# Altium PCB Discharge_B4.PcbDoc (part 1 of 2)
Units mm, origin at the board's own origin, x right, y up, seen from the top; angles counter-clockwise.
Board outline 168.78 x 82.3 mm, 4 copper layers (Top Layer, GND, PWR, Bottom Layer), stack 1.369 mm thick; 174 components, 117 nets, 557 pads, 679 vias.
Unrouted connection lines stored in the file: 9.
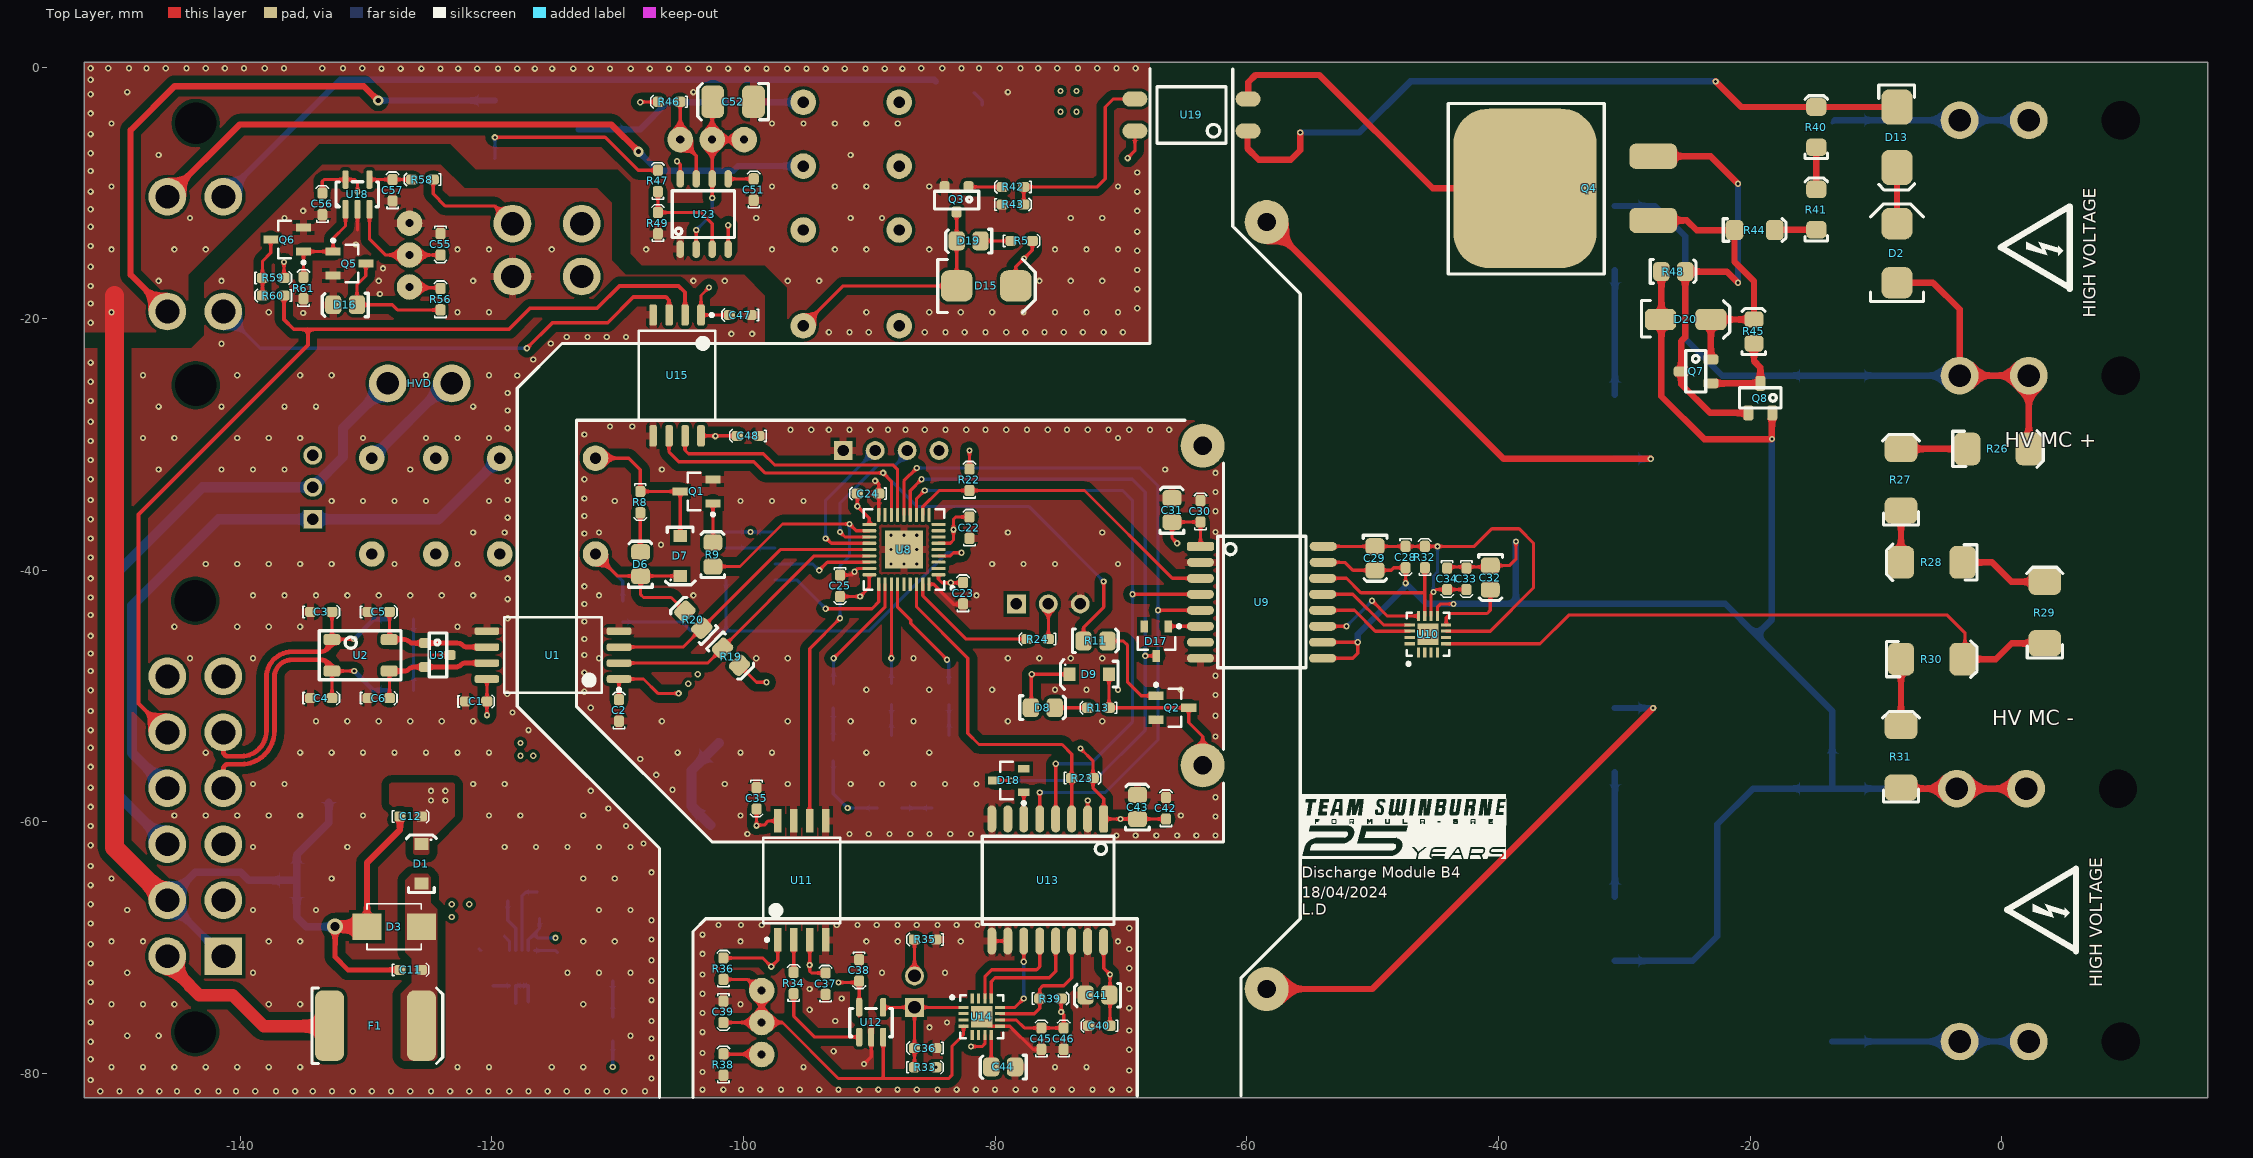
[diagram p0: Top Layer view]
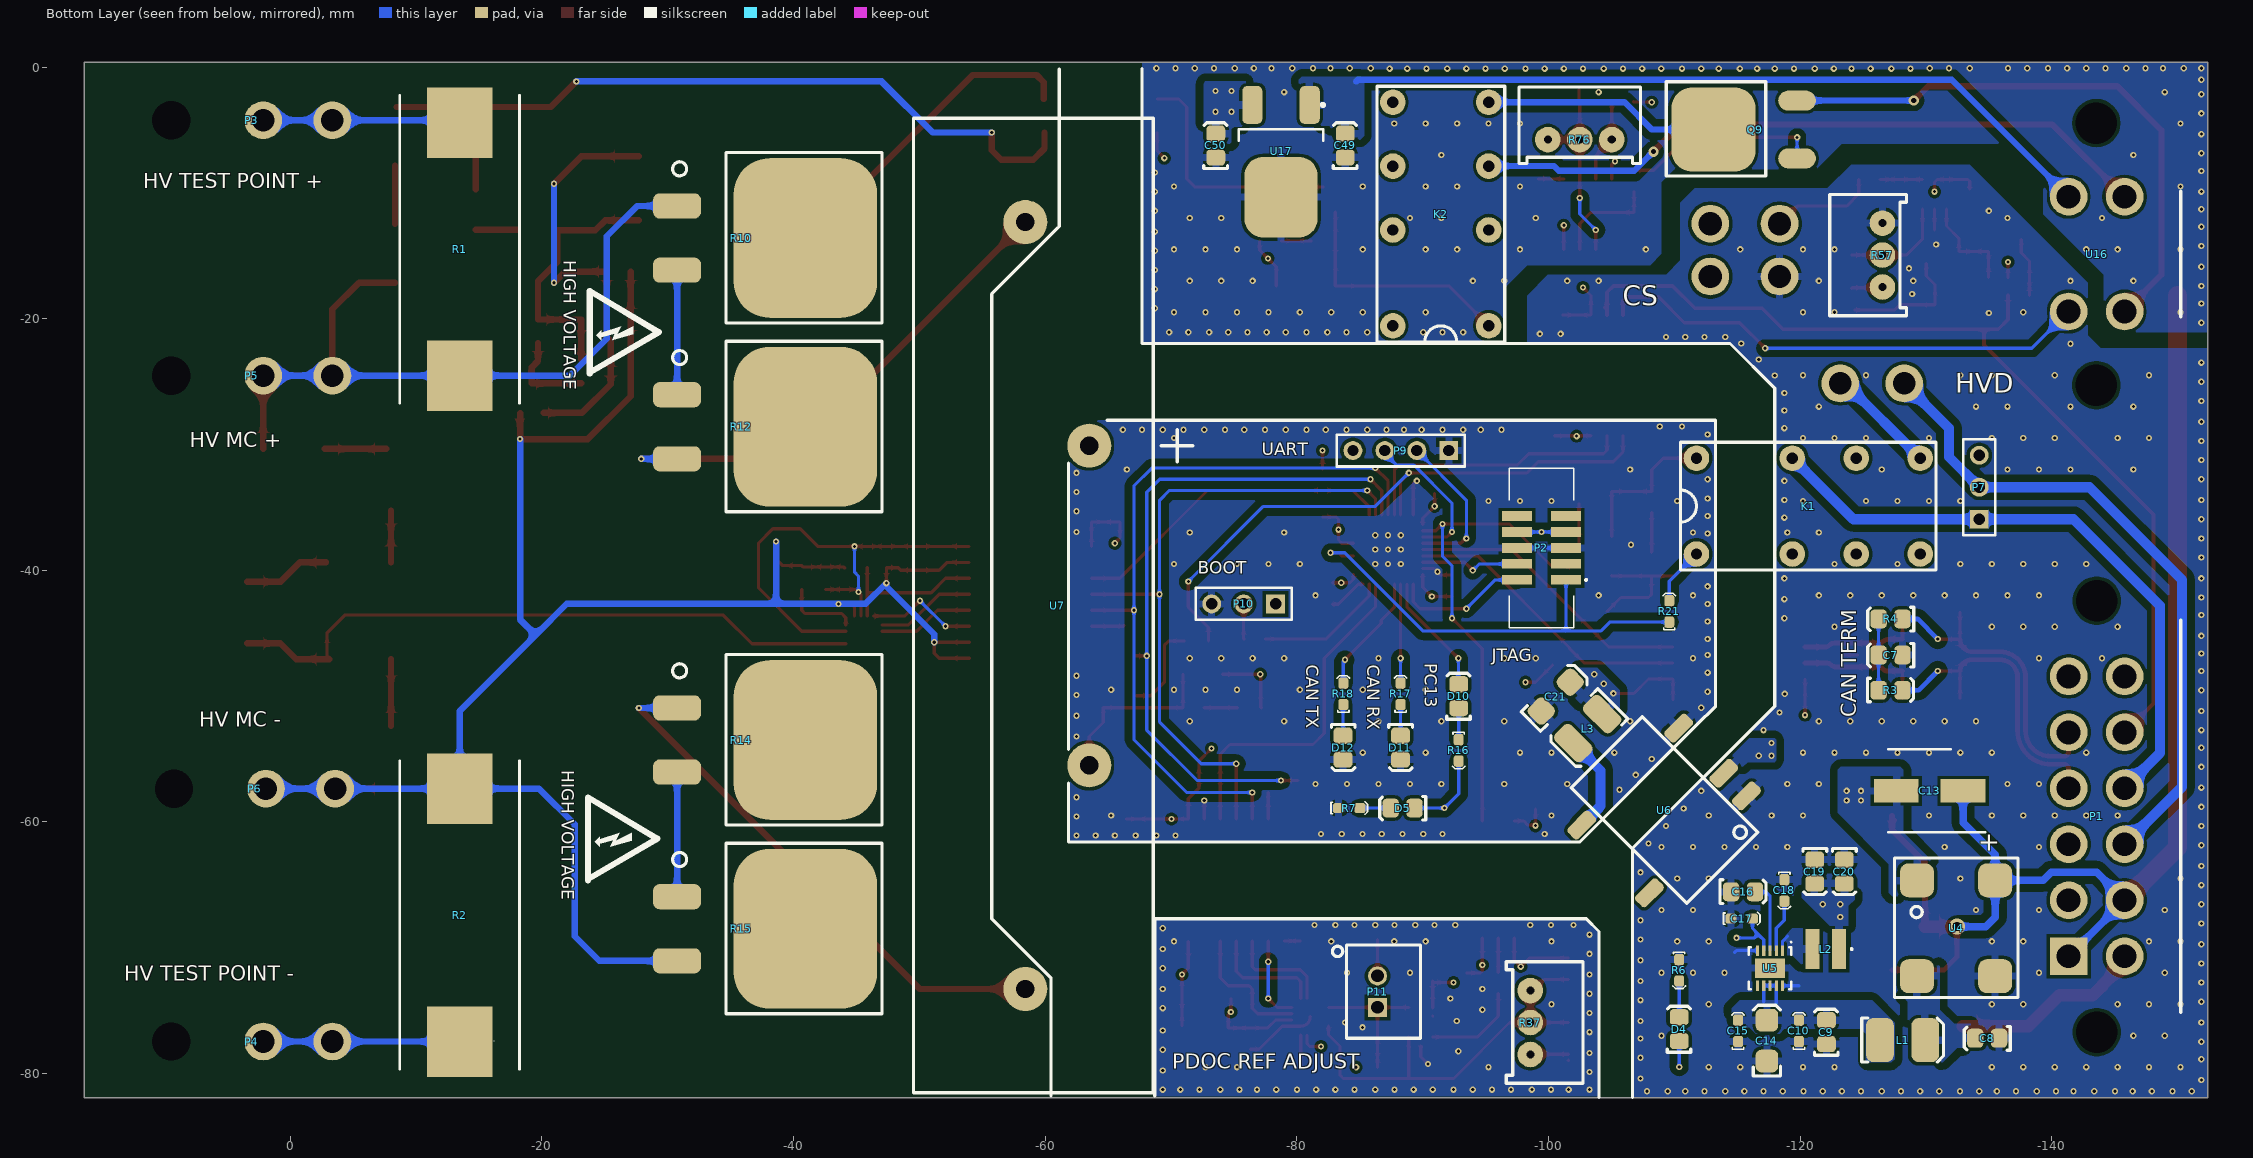
[diagram p1: Bottom Layer view, seen from below]
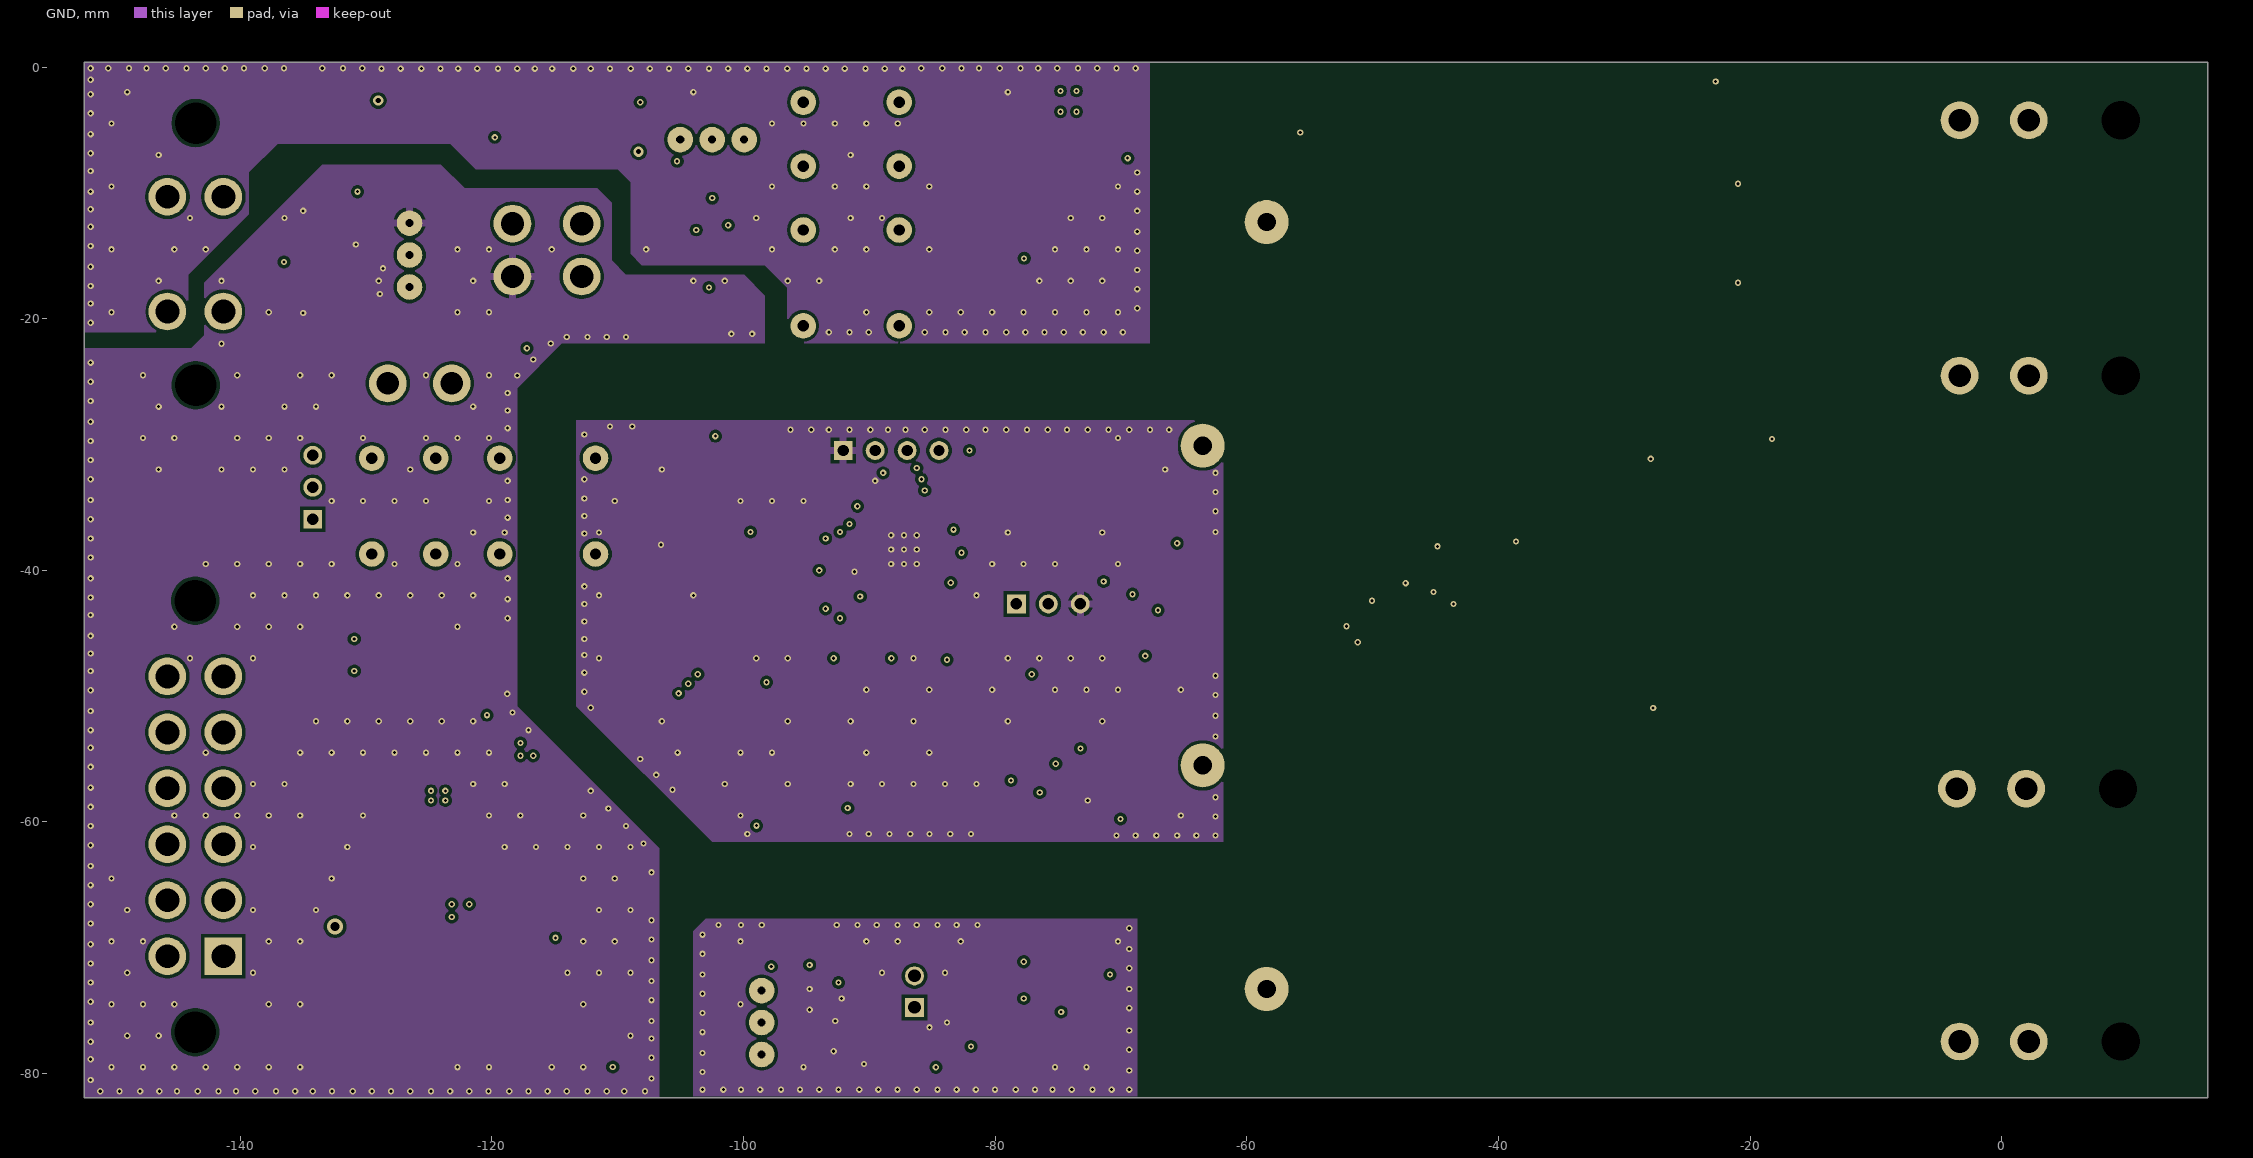
[diagram p2: GND]
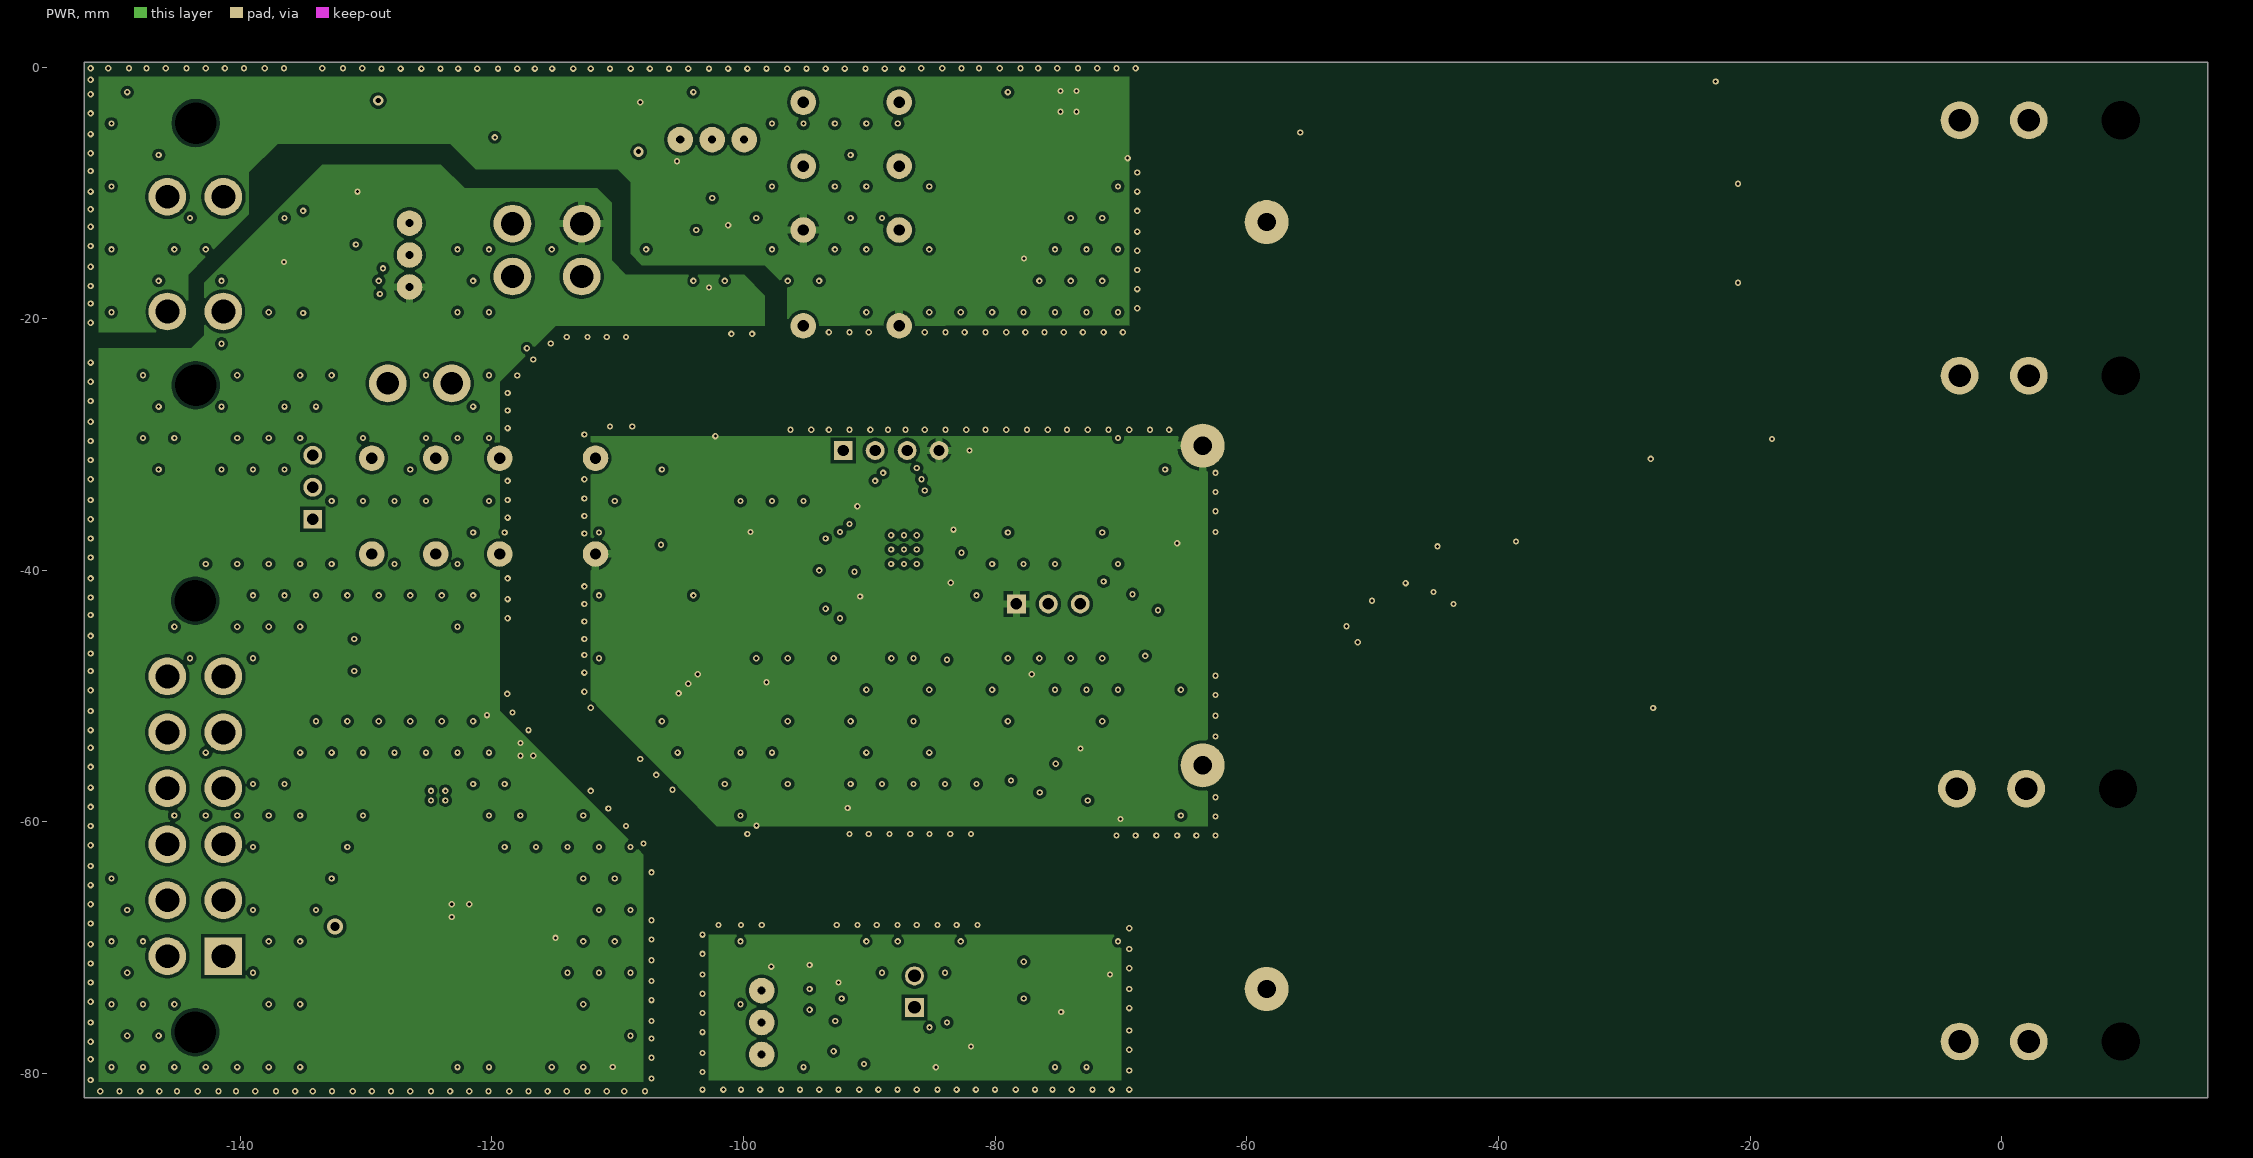
[diagram p3: PWR]
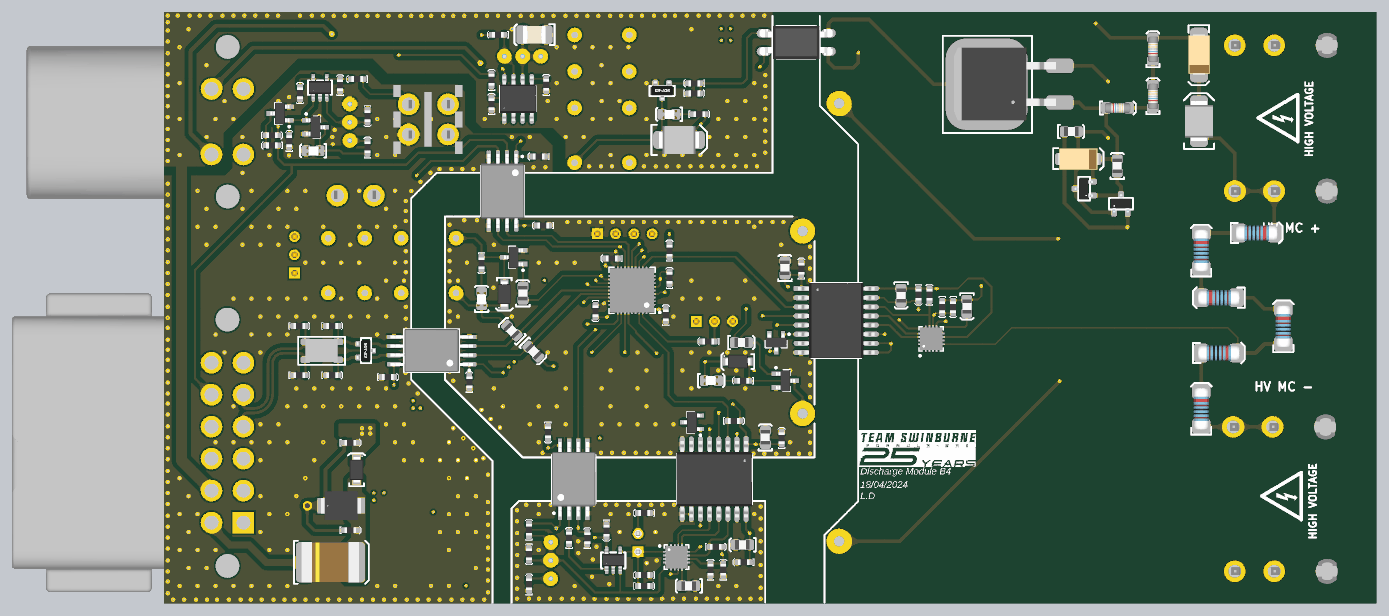
[diagram p5: 3D render of the assembled board from above, using the file's embedded part models]
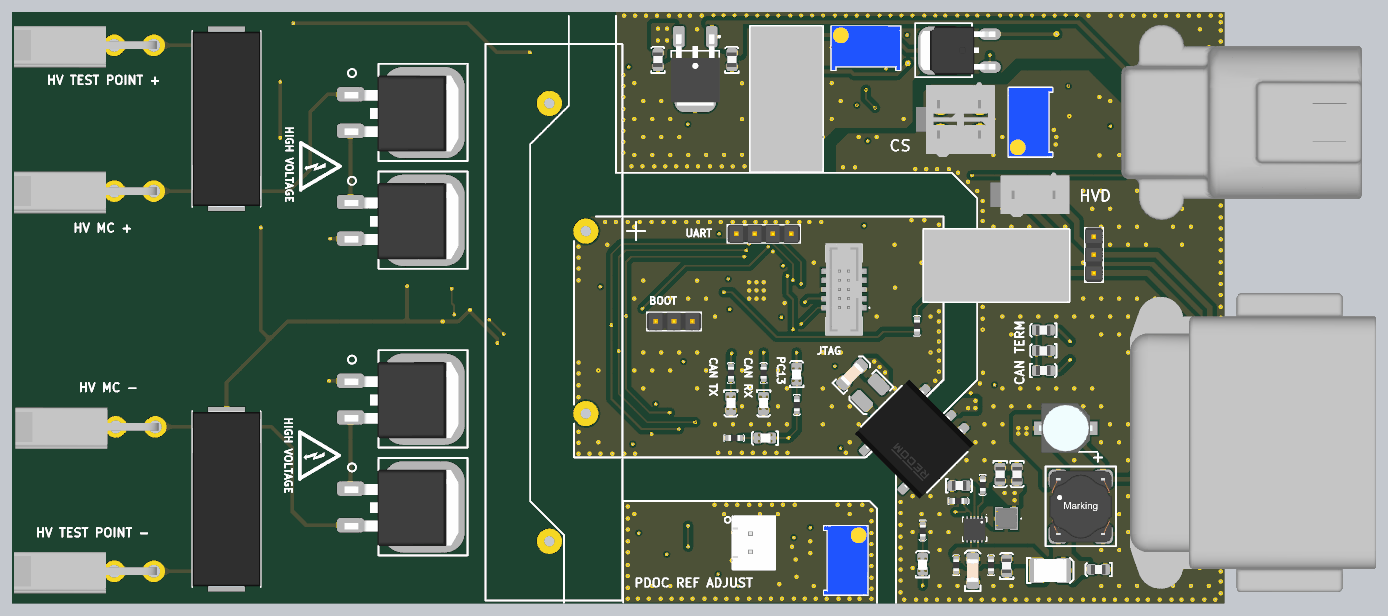
[diagram p6: 3D render of the assembled board from below, using the file's embedded part models]

## Layer stack, top to bottom
Top Solder: solder mask 0.0254, SM-001, Dk 4
Top Layer: signal copper 0.035
Dielectric 1: prepreg 0.1295, PP-017, Dk 4.3
Dielectric 2: prepreg 0.1295, PP-017, Dk 4.3
GND: signal copper 0.035
Dielectric 3: core 0.7112, Core-039, Dk 4.8
PWR: signal copper 0.035
Dielectric 4: prepreg 0.1295, PP-017, Dk 4.3
Dielectric 5: prepreg 0.1295, PP-017, Dk 4.3
Bottom Layer: signal copper 0.035
Bottom Solder: solder mask 0.0254, SM-001, Dk 4

## Board outline
-152.4,-81.915 -152.4,0.381 -142.049,0.381 -122.873,0.381 -112.903,0.381 16.383,0.381 16.383,-67.691 16.383,-81.915 -112.649,-81.915

## Design rules (kind name [scope] priority, off if disabled: settings)
Clearance HV [InNetClass('HV')] p1: gap=0.254 ignorepadtopadclearanceinfootprint=TRUE except(0: Arc-Hole Track-Hole SMDPad-Hole THPad-Hole Via-Hole Fill-Hole Region-Hole Text-Hole; 0.152: Arc-SMDPad; 0.2: Arc-THPad THPad-Via; 0.203: Arc-Arc Arc-Track Arc-Region Track-Region THPad-Region Via-Region Fill-Region Poly-Region Region-Region; 0.6: Arc-Poly Fill-Poly Poly-Poly; 1.8: Track-Track Track-SMDPad Track-THPad Track-Via Track-Fill Track-Poly SMDPad-Via SMDPad-Fill SMDPad-Poly THPad-THPad)
Clearance [All] p2: gap=0.254 ignorepadtopadclearanceinfootprint=FALSE except(0: Arc-Hole Track-Hole SMDPad-Hole THPad-Hole Via-Hole Fill-Hole Region-Hole Text-Hole; 0.1: THPad-THPad; 0.152: Arc-SMDPad Track-SMDPad SMDPad-SMDPad; 0.2: Arc-THPad Track-THPad SMDPad-THPad THPad-Via; 0.203: Arc-Arc Arc-Track Arc-Region Track-Track Track-Region SMDPad-Region THPad-Region Via-Region Fill-Region Poly-Region Region-Region; 0.6: Arc-Poly Track-Poly Fill-Poly Poly-Poly)
DiffPairsRouting [All] p1: maxlimit=0.254 minlimit=0.254 mostfreqgap=0.254 toplayer_minwidth=0.381 toplayer_maxwidth=0.381 toplayer_prefwidth=0.381 midlayer1_minwidth=0.381 midlayer1_maxwidth=0.381 midlayer1_prefwidth=0.381 midlayer2_minwidth=0.381 midlayer2_maxwidth=0.381 midlayer2_prefwidth=0.381 bottomlayer_minwidth=0.381 bottomlayer_maxwidth=0.381 bottomlayer_prefwidth=0.381 maxuncoupledlength=12.7
Height [All] p1: minheight=0 maxheight=50 prefheight=12.7
HoleSize [All] p1: absolutevalues=TRUE maxlimit=10 minlimit=0.025 maxpercent=80.000 minpercent=20.000
MinimumSolderMaskSliver [All] p1: minsoldermaskwidth=0
PlaneClearance [All] p1: clearance=0.4
PlaneConnect [All] p1: pad.planeconnectstyle=Relief pad.reliefexpansion=0.508 pad.reliefentries=4 pad.reliefconductorwidth=0.8 pad.reliefairgap=0.254 via.planeconnectstyle=Direct via.reliefexpansion=0.508 via.reliefentries=4 via.reliefconductorwidth=0.8 via.reliefairgap=0.254
PolygonConnect [All] p1: thpad.connectstyle=Relief thpad.reliefconductorwidth=0.6 thpad.reliefentries=4 thpad.polygonreliefangle="90 Angle" thpad.airgapwidth=0.254 smdpad.connectstyle=Relief smdpad.reliefconductorwidth=0.6 smdpad.reliefentries=4 smdpad.polygonreliefangle="90 Angle" smdpad.airgapwidth=0.254 via.connectstyle=Direct via.reliefconductorwidth=0.6 via.reliefentries=4 via.polygonreliefangle="90 Angle" via.airgapwidth=0.254
RoutingVias [All] p1: holewidth=0.25 width=0.5 viastyle="Through Hole" minholewidth=0.203 minwidth=0.254 maxholewidth=0.711 maxwidth=1.27
SilkToSilkClearance [All] p1: silktosilkclearance=0
SilkToSolderMaskClearance [IsPad] p1: minsilkscreentomaskgap=0 clearancetoexposedcopper=TRUE
SolderMaskExpansion [All] p1: expansion=0.051 istentingtop=FALSE
Width [All] p1: maxlimit=3 minlimit=0.127 preferedwidth=0.5 toplayer_prefwidth=0.254 bottomlayer_prefwidth=0.254 minimp=50.000000 maximp=50.000000 favimp=50.000000
22 further rules are at their usual default settings.

## Classes and differential pairs
net class HV: "HV MC +" NetD2_K NetD13_A NetQ4_D NetR40_1 NetR41_1
component class TSAL: C49 C50 C51 C52 D2 D13 D15 D19 D20 K2 Q3 Q4 Q7 Q8 Q9 R5 R40 R41 R42 R43 R44 R45 R46 R47 R48 R49 R76 U17 U19 U23
component class TopLevel: 3 CS HVD P1 P3 P4 P5 P6 P7 R1 R2 U16
component class Isolation: C47 C48 U15
component class "5kW Circuit": C55 C56 C57 D16 Q5 Q6 R56 R57 R58 R59 R60 R61 U18
component class "Safety Loop": D6 D7 K1 Q1 R8 R9
component class "Power Supply": C8 C9 C10 C11 C12 C13 C14 C15 C16 C17 C18 C19 C20 C21 D1 D3 D4 D5 F1 L1 L2 L3 R6 R7 U4 U5 U6
component class PDOC: C35 C36 C37 C38 C39 C40 C41 C42 C43 C44 C45 C46 D18 P11 "PDOC NTC1" R33 R34 R35 R36 R37 R38 R39 U11 U12 U13 U14
component class Microcontroller: C22 C23 C24 C25 D10 D11 D12 P2 P9 P10 R16 R17 R18 R19 R20 R21 R22 R23 R24 U8
component class "HV SENSE": C28 C29 C30 C31 C32 C33 C34 D17 R26 R27 R28 R29 R30 R31 R32 U9 U10
component class Discharge: D8 D9 Q2 R10 R11 R12 R13 R14 R15 U7
component class CAN: C1 C2 C3 C4 C5 C6 C7 R3 R4 TP1 TP2 U1 U2 U3
differential pair CAN1_F: +CAN1_F_P -CAN1_F_N
differential pair CAN1: +CAN1_P -CAN1_N

## Components (designator, comment, footprint, x,y, rotation, side; value= is the part's Value field where it differs from the comment)
C1 "100nF" 0603 -122.096,-50.419 r0 top
C2 "100nF" 0603 -109.896,-51.992 r90 top
C3 "100pF" 0603 -134.415,-43.307 r0 top
C4 "100pF" 0603 -134.415,-50.165 r0 top
C5 "100pF" 0603 -129.843,-43.307 r0 top
C6 "100pF" 0603 -129.843,-50.165 r0 top
C7 "22uF" 0805 -127.176,-46.762 r0 bottom
C8 "10uF" 0805 -134.852,-77.216 r0 bottom
C9 "10uF" 0805 -122.063,-76.694 r90 bottom
C10 "100nF" 0603 -119.904,-77.456 r90 bottom
C11 "100nF" 0603 -127.303,-71.755 r0 top
C12 "100nF" 0603 -127.303,-59.563 r0 top
C13 "47uF" "CHEMI-CON ELCO" -130.302,-57.531 r0 bottom
C14 "4.7uF" "1206 CAP" -117.361,-76.196 r90 bottom
C15 "100nF" 0603 -115.07,-77.456 r90 bottom
C16 "1µF" 0805 -115.475,-65.532 r180 bottom
C17 "10nF" 0603 -114.513,-67.687 r180 bottom
C18 "100nF" 0603 -118.745,-64.594 r270 bottom
C19 "10uF" 0805 -121.184,-63.959 r270 bottom
C20 "10uF" 0805 -123.534,-63.959 r270 bottom
C21 "4.7uF" "1206 CAP" -101.416,-49.206 r135 bottom
C22 "100nF" 0603 -82.042,-37.465 r90 top
C23 "100nF" 0603 -82.55,-42.672 r90 top
C24 "100nF" 0603 -89.249,-33.909 r180 top
C25 "100nF" 0603 -92.329,-40.386 r270 top
C28 "100nF" 0603 -47.371,-38.1 r270 top
C29 "10uF" 0805 -49.784,-39.062 r270 top
C30 "100nF" 0603 -63.678,-36.165 r90 top
C31 "10uF" 0805 -65.964,-35.203 r90 top
C32 "1µF" 0805 -40.614,-40.591 r270 top
C33 "100nF" 0603 -42.545,-39.829 r270 top
C34 "100nF" 0603 -44.069,-39.829 r270 top
C35 "100nF" 0603 -98.959,-57.277 r270 top
C36 "100nF" 0603 -84.709,-77.978 r180 top
C37 "100nF" 0603 -93.472,-73.709 r90 top
C38 "100nF" 0603 -90.805,-70.944 r270 top
C39 "100nF" 0603 -101.6,-74.246 r270 top
C40 "100nF" 0603 -70.866,-76.2 r180 top
C41 "10uF" 0805 -71.882,-73.787 r180 top
C42 "100nF" 0603 -66.421,-59.766 r90 top
C43 "10uF" 0805 -68.707,-58.804 r90 top
C44 "1µF" 0805 -79.375,-79.502 r180 top
C45 "100nF" 0603 -76.327,-78.076 r90 top
C46 "100nF" 0603 -74.549,-78.076 r90 top
C47 "100nF" 0603 -99.41,-19.711 r180 top
C48 "100nF" 0603 -98.786,-29.311 r180 top
C49 "10uF" 0805 -83.82,-6.223 r90 bottom
C50 "10uF" 0805 -73.533,-6.223 r90 bottom
C51 "100nF" 0603 -99.187,-10.59 r90 top
C52 "22uF" 1210 -102.015,-2.76 r180 top
C55 "100nF" 0603 -124.079,-13.245 r270 top
C56 "100nF" 0603 -133.477,-11.733 r90 top
C57 "10nF" 0603 -127.889,-10.641 r90 top
CS "39293046" 39293046 -118.364,-12.446 r90 bottom (schematic designator P13)
D1 "PMEG100T10ELR-QX" SODFL350X110-2N -125.603,-63.322 r270 top
D2 "SD560BTR" "SMB Diode" -8.319,-16.895 r90 top
D3 "SM6T39CAY" SM6T39CAY-Footprint-1 -127.762,-68.326 r0 top
D4 "Red" "0805 LED" -110.363,-76.454 r90 bottom
D5 "Red" "0805 LED" -88.392,-58.928 r0 bottom
D6 "Green" "0805 LED" -108.204,-39.497 r90 top
D7 "PMEG100T10ELR-QX" SODFL350X110-2N -105.029,-38.862 r90 top
D8 "Green" "0805 LED" -76.2,-50.901 r0 top
D9 "PMEG100T10ELR-QX" SODFL350X110-2N -72.517,-48.26 r0 top
D10 "Yellow" "0805 LED" -92.837,-49.99 r90 bottom
D11 "Yellow" "0805 LED" -88.26,-54.102 r270 bottom
D12 "Yellow" "0805 LED" -83.693,-54.102 r270 bottom
D13 "1SMB5942B-13" "DI SMB Diode" -8.319,-3.429 r270 top
D15 "SD560BTR" "SMB Diode" -82.808,-17.399 r0 top
D16 "Green" "0805 LED" -131.68,-18.923 r180 top
D17 "BAS-21" NEXPERIA_SOT23 -67.183,-45.625 r270 top
D18 "BAS-21" NEXPERIA_SOT23 -78.899,-56.708 r180 top
D19 "Red" "0805 LED" -82.12,-13.843 r180 top
D20 "SMAZ5V6-13-F" "DI SMA Diode" -27.114,-20.066 r0 top
F1 "0ZCF0100AF2A" 2920 -132.903,-76.2 r0 top